# Allegro board ftu_k64_evk.brd (continued)
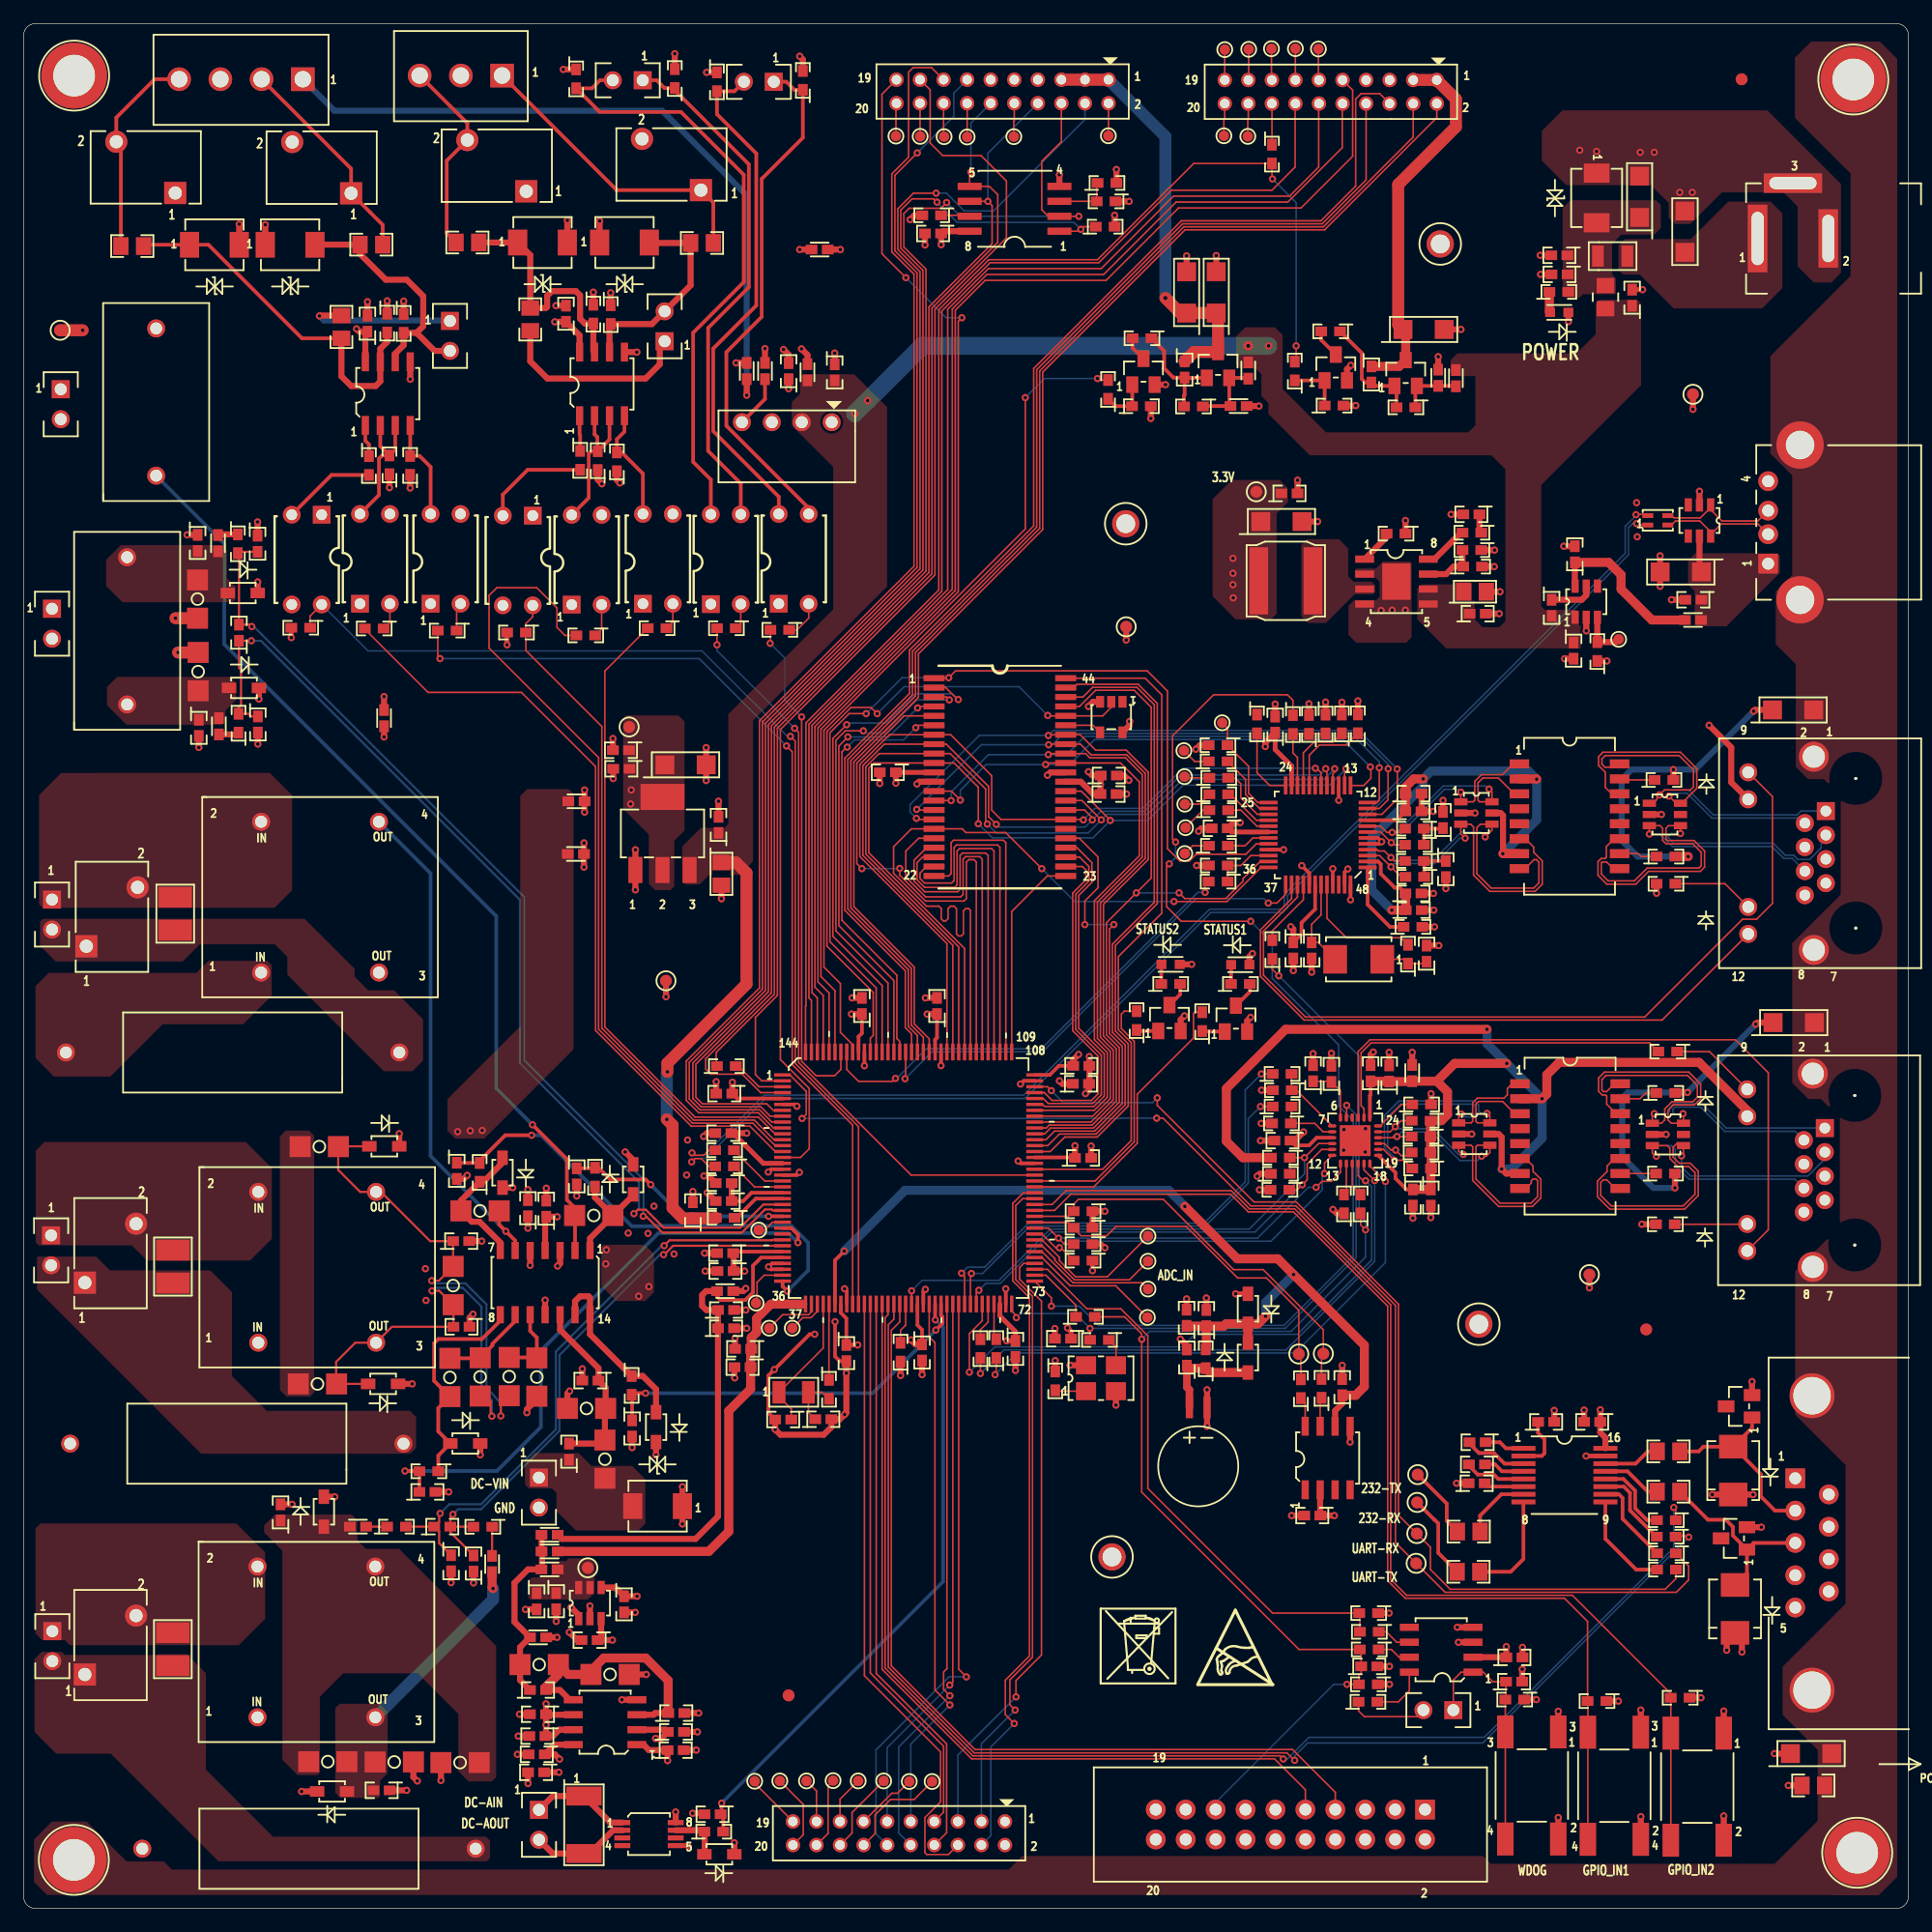
[diagram p0: board, top side]
## Nets (continued)
WIFI/LCD_PWR_CNTL: R153.2 U1.136(PTD7/CMT_IRO/UART0_TX/FTM0_CH7/)
N16756265: R65.1 T1.10
N16756269: R66.1 T1.15
N16757442: D11.A(1) DN2.1 J16.2 R135.2
N16757516: D10.A(1) DN1.1 J16.3 R139.2
N16758787: C93.1 U28.1(C1+)
N16758791: C93.2 U28.3(C1-)
N16758795: C92.1 U28.4(C2+)
N16758815: C92.2 U28.5(C2-)
N16758819: C91.2 U28.6(V-)
N16758823: R135.1 U28.14(T1OUT)
N16758837: R134.2 U28.11(T1IN)
N16758843: R138.2 U28.12(R1OUT)
N16758849: C89.1 U28.2(V+)
N16758873: R139.1 U28.13(R1IN)
N16759319: R25.1 U5.7(H\O\L\D\)
N16772440: D3.A(C1) R27.1 R28.2 U6.1(VOUTA)
N16775214: D4.A(C1) R31.1 R33.2 U6.7(VOUTB)
N16775930: D5.A(C1) R38.1 R40.2 U6.8(VOUTC)
N16775968: R35.2 R37.2 U6.10(VINC+)
N16775998: R39.2 R40.1 U6.9(VINC-)
N16783367: C46.2 C47.1 R45.2 R47.1 U6.12(VIND+)
N16785222: C53.2 D17.A(C1) L8.1 PT3.3 R52.2 R53.2
N16785246: PT3.1 R50.2
N16785292: C49.1 D18.A(C1) L7.1 PT3.4 R51.1 R52.1
N16786136: L8.2 R54.1
N16786139: L7.2 R49.1
N16788483: D6.A(C1) R46.1 U6.13(VIND-) U6.14(VOUTD)
N16795804: D12.A(ANODE) R157.1
N16798051: C83.1 U17.5(CSLEW)
N16806806: C77.1 R96.1 Y2.1
N16812858: R2.2 U1.68(PTA16/CMP3_IN2/SPI0_SOUT/U\A\R\)
N16812861: R4.2 U1.69(PTA17/ADC1_SE17/SPI0_SIN/U\A\R\)
N16826797: R114.2 U21.2(R\E\) U21.3(DE) U22.4(COLLECTOR)
N16826898: R118.2 U21.4(DI) U23.4(COLLECTOR)
N16826947: J12.1 R124.1
N16841183: J14.1 R132.1
N16842812: R115.1 U22.2(CATHODE)
N16843774: R119.1 U23.2(CATHODE)
N16843986: R113.2 U19.2(CATHODE)
N16846359: R113.1 U21.1(RO)
N16848477: R125.1 U26.2(CATHODE)
N16848509: R123.2 U25.2(R\E\) U25.3(DE) U26.4(COLLECTOR)
N16848511: R131.1 U27.2(CATHODE)
N16848567: R130.2 U25.4(DI) U27.4(COLLECTOR)
N16848581: R121.2 U24.2(CATHODE)
N16848643: R121.1 U25.1(RO)
N16852593: R143.2 U29.8(W\D\O\)
N16852608: C95.1 J17.1 R142.2 SW3.3(B1) SW3.4(B2) U29.1(M\R\)
N16852627: R146.1 U29.7(R\E\S\E\T\)
N16852920: R147.1 U29.6(WDI)
N16858143: P1.11(LED1-) R67.1
N16858278: P1.9(LED2-) R68.1
N16861702: R92.1 T2.10
N16861704: R93.1 T2.15
N16871213: L20.1 L22.1 Q3.2(SOURCE) R149.1
N16871247: Q5.1(GATE) R153.1 R155.1
N16871250: C100.2 Q3.1(GATE) R149.2 R151.1
N16871668: Q5.3(DRAIN) R151.2
N16872241: Q6.1(GATE) R154.1 R156.1
N16872243: C102.2 Q4.1(GATE) R150.2 R152.1
N16872250: L21.1 L23.1 Q4.2(SOURCE) R150.1
N16872280: Q6.3(DRAIN) R152.2
N16877055: R159.2 U30.1(SHDN/RT)
N16877530: R160.2 U30.8(COMP)
N16877846: C111.1 R160.1
N16878286: L25.1 U30.3(LX)
N16878713: R158.1 R161.2 U30.7(FB)
N16899253: R97.1 U12.1(BGRES)
N16906260: P2.11(LED1-) R94.1
N16913941: R84.2 U12.31(SD8/GP1)
N16913953: R85.2 U12.29(SD9/GP2)
N16913968: R86.2 U12.28(SD10/GP3)
N16913982: R87.2 U12.27(SD11/GP4)
N16913996: R89.2 U12.26(SD12/GP5)
N16917794: R11.1 U1.74(R\E\S\E\T\)
N16918817: R12.1 U1.41(EXTAL32)
N16919212: R16.2 Y1.1(OE)
N16919504: R18.1 Y1.3(CLKOUT)
N16920348: R9.1 U1.19(USB0_DP)
N16920352: R10.1 U1.20(USB0_DM)
N16922932: D8.C(CATHODE) R99.1
N16922934: Q1.3(COLLECTOR) R99.2
N16922936: Q1.1(BASE) R101.1
N16922944: Q2.3(COLLECTOR) R100.2
N16922946: D9.C(CATHODE) R100.1
N16922998: R106.1 U15.2(CATHODE)
N16923008: J8.2 R104.2 U15.4(COLLECTOR)
N16923020: J8.1 R108.1 U15.3(EMITTER)
N16923032: R105.1 U16.2(CATHODE)
N16923042: J9.2 R103.2 U16.4(COLLECTOR)
N16923054: J9.1 R107.1 U16.3(EMITTER)
N16932299: PT2.1 R41.2
N16932357: R42.2 R44.1
N16935752: C38.2 CT2.2 D14.A(C1) L6.1 R32.2
N16935822: C35.1 CT2.1 D13.A(C1) L5.1 R30.1
N16935990: L6.2 R34.1
N16935992: L5.2 R29.1
N16963015: R89.1 TP12.1(PIN1)
N16963035: R84.1 TP9.1(PIN1)
N16963490: R85.1 TP10.1(PIN1)
N16963499: R86.1 TP8.1(PIN1)
N16963508: R87.1 TP11.1(PIN1)
N16964483: J17.2 R143.1
N16992640: R13.2 U1.3(PTE2/ADC1_SE6A/SPI1_SCK/U\A\R\T)
N16997663: R140.2 U28.9(R2OUT)
N16997666: R136.2 U28.10(T2IN)
N17002202: J10.15 TP18.1(PIN1)
N17002209: J10.14 TP17.1(PIN1)
N17002232: J10.16 TP19.1(PIN1)
N17002285: J22.11 TP27.1(PIN1)
N17002298: J22.13 TP28.1(PIN1)
N17002307: J22.15 TP30.1(PIN1)
N17009409: D7.A(C1) R55.1 U7.7(OUT1)
N17012939: R137.1 U28.7(T2OUT)
N17012953: R141.1 U28.8(R2IN)
N17025356: L15.1 U20.4(VOUT)
N17038152: R14.1 U2.8(SCL)
N17038155: R15.1 U2.7(SDA)
N17041648: J21.16 TP31.1(PIN1)
N17041650: J21.14 TP29.1(PIN1)
N17041652: J21.10 TP26.1(PIN1)
N17041654: J21.2 TP25.1(PIN1)
N17042189: J22.16 R148.1
N17042264: J22.17 TP34.1(PIN1)
N17042273: J22.19 TP35.1(PIN1)
N17042288: J22.18 TP36.1(PIN1)
N17042303: J22.20 TP37.1(PIN1)
N17042405: J21.18 TP38.1(PIN1)
N17042414: J21.20 TP39.1(PIN1)
N17045351: J10.17 TP40.1(PIN1)
N17045355: J10.19 TP41.1(PIN1)
N17045369: J10.18 TP42.1(PIN1)
N17045378: J10.20 TP43.1(PIN1)
N17061950: Q2.1(BASE) R102.1
N17108951: C65.1 R65.2 R66.2
N17109053: C76.1 R92.2 R93.2
N17166355: C125.1 R75.1 R76.1
N17166431: C126.1 R77.1 R78.1
N17167419: J10.13 TP45.1(PIN1)
N17171737: TP46.1(PIN1) U1.38(DAC0_OUT/ADC0_SE23/CMP1_IN3)
N17171740: TP47.1(PIN1) U1.39(DAC1_OUT/ADC1_SE23/CMP2_IN3)
N17171751: TP48.1(PIN1) U1.35(ADC1_SE16/ADC0_SE22/CMP2_IN2)
N17171755: TP49.1(PIN1) U1.26(ADC3_DM0/ADC2_DM3/ADC1_DM1)
N167792300: PT1.1 R36.2

Pads without a net: DN1 3; DN2 3; J1 1 2; J2 1 2; J16 1 4 6 7 8 9; J18 2 3 5 11 13 17 19; NOREF#6 1; NOREF#19 1; NOREF#33 1; P1 4 5 7 8; P2 4 5 7 8; R90 1; SS1 1; T1 4 5 12 13; T2 4 5 12 13; U1 28; U2 1 3 4; U3 28; U4 1; U7 3 4 6; U10 5; U11 4; U12 19 46; U14 5; U17 4; U18 3 4; U29 5

## Via types
v1: diameter 0.61, hole 0.305, TOP to BOTTOM, 540 vias
v2: diameter 0.787, hole 0.356, TOP to BOTTOM, 2 vias

## Routing (per net, layer and track width the routed paths; a pad name or vN(x,y) marks a point on that pad's centre or on a via; arc(x,y) is an arc through that point)
AGND: length 18.3
  TOP w0.508: U25.5 v1(52.06,132.11) ; TVS4.1 v1(48.9,143.24) ; R117.1 v1(30.87,136.46) ; TVS2.1 v1(20.52,142.93) ; v1(65.88,157.23) 66.15,156.96 R107.2 ; R127.1 v1(48.37,137.2) ; R108.2 v1(55.28,157.44) ; TVS3.2 v1(18.31,142.98) ; U21.5 v1(32.82,129.81) ; C87.1 v1(64.94,129.01) ; TVS5.2 v1(46.16,143.3) ; L18.2 v1(65.88,140.82) ; C88.2 v1(45.19,136.06) ; C85.2 v1(29.19,136.39)
GND: length 199.4
  TOP w0.305: v1(67.16,48.74) 66.73,48.74 v1(63.73,45.75) 63.22,45.24 63.22,42.08 C20.2 ; v1(65.86,62.48) 65.62,62.25 U1.18 ; C6.2 69.29,46.46 68.88,46.86 v1(68.88,49.81) ; U1.6 65.49,68.25 v1(65.65,68.1) ; v1(112.42,88.24) 112.14,87.96 U12.47 ; U1.134 v1(71.38,71.54) ; U12.5 115.11,90.37 v1(115.29,90.55) 114.96,90.87 U12.6 ; U1.57 76.38,52.38 v1(76.55,52.55) ; v1(69.69,52.6) 69.88,52.42 U1.44 ; U12.45 v1(111.14,88.26) ; U12.15 v1(111.64,94.07) ; v1(63.22,62.51) 63.46,62.75 U1.17 ; v1(84.63,69.98) 84.9,70.25 U1.107 ; v1(84.42,63.45) 84.62,63.25 U1.93 ; U1.71 v1(83.38,52.6) ; U12.41 109.14,87.89 v1(108.5,88.52) ; U1.121 v1(77.88,71.54) ; U12.33 v1(106.96,89.87) ; U12.48 v1(112.64,85.62)
  TOP w0.381: U28.15 v1(132.64,38.41)
  TOP w0.406: C106.2 v1(137.43,137.41)
  TOP w0.508: SW3.1 v1(130.28,16.73) ; v1(114.57,72.69) 114.35,72.47 C64.2 ; C112.2 v1(59.24,85.71) ; U13.2 v1(123.21,92.99) ; C84.2 v1(130.74,115.63) ; C29.2 v1(93.63,94.6) ; C67.2 v1(111.02,72.59) ; C96.2 v1(127.24,22.16) ; L18.1 v1(69.34,140.82) ; R67.2 v1(137.37,58.08) ; C61.2 v1(119.46,58.64) ; C28.2 v1(72.68,95.49) ; TP_GND7.1 v1(141.71,127.25) ; v1(100.46,40.93) BT1.1 v1(100.46,44.03) ; R159.1 v1(117.3,117.82) ; Y1.2 v1(92.73,42.72) ; R156.2 v1(113.09,127.57) ; Q5.2 v1(96.94,129.35) ; v1(138.92,114.82) C80.2 v1(138.92,112.23) ; C24.2 v1(100.4,51.82) ; C125.2 v1(120.49,94.06) ; C108.2 v1(125.27,109.91) ; C78.2 v1(109.34,79.48) ; v1(98.55,75.77) 98.22,75.44 Q2.2 ; U5.4 v1(87.93,147.17) ; C68.2 v1(109.46,72.56) ; R161.1 v1(124.87,115.31) ; R155.2 v1(95.69,126.48) ; R97.2 v1(119.77,83.32) ; D12.C v1(131.13,134.7) ; C22.2 v1(107.64,33.35) ; C113.2 v1(58.99,93.99) ; U4.3 90.79,102.43 v1(90.39,102.03) ; C115.2 v1(50.05,95.92) ; U18.2 v1(142.26,120.29) ; v1(51.94,89.87) U31.1 v1(51.94,86.46) ; C98.2 v1(98.73,140.28) ; U3.12 76.03,95.64 v1(75.84,95.45) ; C20.2 v1(63.8,40.66) 64.25,40.21 67.92,40.21 68.57,40.86 C21.2 69.29,41.53 v1(69.7,41.94) 69.84,42.08 v1(69.84,45.44) C6.2 ; v1(57.94,95.75) C114.2 v1(57.94,98.54) ; C70.2 v1(106.24,102.24) ; C26.2 v1(87.55,49.23) ; v1(99.74,91.44) 99.99,91.69 C71.2 ; v1(112.67,130.99) 112.34,130.66 Q6.2 ; C75.2 v1(119.68,86.16) ; SW1.1 v1(137.28,16.84) ; C30.2 93.41,96.17 v1(93.82,95.76) ; v1(57.73,65.53) 58.01,65.81 C7.2 ; C23.2 v1(111.93,46.1) ; C101.2 v1(122.02,134.03) ; C110.2 v1(108.14,121.24) ; C89.2 v1(129.93,42.28) ; DN1.2 v1(147.51,32.36) ; C95.2 v1(127.21,20.31) ; SW3.2 v1(130.28,7.72) ; C25.2 v1(98.72,51.74) ; C27.2 98.75,47.78 v1(98.19,48.34) ; C91.1 v1(121.64,36.09) ; C105.2 v1(128.74,140.33) ; C4.2 v1(90.62,64.72) ; C10.2 v1(84.2,45.67) ; C90.2 v1(132.47,42.3) ; v1(143.35,35.13) D11.C v1(146.81,35.13) ; C104.2 v1(128.77,138.71) ; C86.1 v1(68.85,132.03) ; Q1.2 103.86,75.35 v1(104.16,75.64) ; U17.2 v1(132.65,108.45) ; C126.2 v1(120.73,86.57) ; U29.4 v1(121.7,23.87) ; R94.2 v1(138.62,86.17) ; v1(104.72,62.15) 104.92,62.36 R74.1 ; TP_GND8.1 v1(132.92,52.68) ; U3.34 87.15,96.43 v1(86.91,96.19) ; TP_GND5.1 v1(93.6,107.67) ; v1(90.47,72.31) C8.2 90.47,70.03 C1.2 90.44,69.47 v1(90.14,69.16) ; C69.2 v1(107.79,79.61) ; U2.5 v1(112.6,39.59) ; U10.2 v1(139.43,65.7) ; C116.2 v1(50.03,99.31) ; v1(145.87,21.77) 145.87,22.81 D10.C 144.57,22.68 v1(144.57,21.92) ; U14.2 v1(139.03,92.86) ; TP_GND6.1 v1(54.53,77.39) ; v1(57.75,62.18) 58.14,62.18 C17.2 ; C72.2 118.67,93.13 C73.2 v1(119.68,93.12) ; C111.2 v1(121.18,118.34) ; C62.2 v1(105,65.18) ; C99.2 v1(101.24,140.31) ; C9.2 v1(76.27,45.31) ; R72.1 v1(149.8,10.44) ; C109.2 v1(109.85,117.73) ; C81.2 v1(139.88,111.09) ; SW2.2 v1(144.32,7.85) ; U9.2 v1(122.93,65.74) ; C74.2 v1(119.71,84.74) ; C60.2 v1(115.92,72.67) ; R73.2 v1(119.48,69.16) ; C31.2 v1(76.52,141.2) ; C5.2 v1(58.8,70.18) ; C3.2 v1(70.33,77.29) ; C82.2 v1(130.82,106.08) ; C63.2 v1(117.93,58.59) ; U29.3 v1(121.8,22.6) ; R88.1 v1(110.52,102.4) ; DN2.2 v1(146.72,44.72) ; SW1.2 v1(137.28,7.8) ; C19.2 v1(56.81,60.86) ; C66.1 v1(148.62,13.14) ; C2.2 v1(76.55,77.29) ; C97.2 v1(115.95,20.55) ; C107.2 v1(125.33,111.77) ; C77.2 v1(120.14,81.73) ; L2.2 v1(30.6,102.87) ; SW2.1 v1(144.32,16.76) ; C18.2 v1(58.03,60.76) ; R26.1 v1(93.85,144.91)
  vias: v1(56.29,62.26) v1(56.36,65.23) v1(112.08,66.12) v1(112.06,64.36) v1(113.91,66.19) v1(113.89,64.21) v1(115.23,110.19) v1(116.17,110.21) v1(117.29,110.21) v1(132.1,149.25) v1(133.52,149.15) v1(136.93,119.33) v1(136.98,116.43) v1(137.23,149.07) v1(138.42,149.07) v1(140.58,145.67) v1(141.65,145.67)
GNDA: length 63.2
  TOP w0.305: U1.34 63.45,54.25 v1(63.24,54.46) 63.53,54.75 U1.33
  TOP w0.381: U7.5 v1(56.39,5.34)
  TOP w0.508: C117.2 v1(41.92,13.08) ; D7.C v1(60.33,5.58) ; R163.2 v1(52.86,19.86) ; C48.2 v1(51.66,39.12) ; C12.2 60.35,45.06 v1(60.37,45.03) ; C32.2 v1(44.37,61.14) ; v1(51.07,64.22) 51.75,63.54 D3.C ; v1(46.48,25.55) 47.13,24.9 U8.1 ; C121.2 v1(57.1,13.44) ; C118.2 v1(42.82,10.6) ; v1(46.35,43.92) 46.16,43.72 R47.2 ; U32.4 v1(50.79,17.71) ; C54.1 v1(38.2,27.63) ; C43.2 v1(38.89,56.65) ; D18.C v1(26.42,34.95) ; C14.2 v1(61.31,50.8) ; U8.2 v1(48.08,25.68) ; C38.1 v1(13.88,116.6) ; C11.2 v1(60.4,48.41) ; C34.2 v1(46.96,60.48) ; v1(38.15,50.44) 37.86,50.15 C45.1 ; C57.2 46.99,22.78 v1(46.32,23.44) ; C120.2 v1(57.21,14.99) ; D4.C v1(41.52,61.19) ; C56.2 v1(51.92,25.13) ; v1(55.93,35.79) TVS1.1 v1(55.93,32.63) ; C47.2 v1(47.43,45.81) ; D6.C v1(53.69,38.48) ; C40.1 v1(19.86,117.7) ; C33.2 v1(42.81,61.02) ; D15.C v1(31.89,65.77) ; C58.2 v1(42.6,25.39) ; C50.2 v1(36.29,27.66) ; C59.2 v1(45.21,24.36) ; C13.2 v1(61.39,49.25) ; D5.C v1(38.77,38.51) ; C49.2 v1(22.8,34.3) ; C53.1 v1(32.52,10.03) ; v1(56.8,8.08) 57.72,8.08 C55.2 ; C122.2 v1(41.99,14.63) ; U6.11 v1(44.27,51.64) ; v1(37.66,62.23) 37.36,61.93 C39.2 ; L2.1 v1(30.6,99.44) ; C15.2 v1(57.81,55.63) ; C124.2 v1(57.31,16.59) ; C36.2 v1(19.89,98.84) ; D16.C v1(32.99,44.53) ; D14.C v1(19.88,112.6) ; D17.C v1(23.6,9.93) ; C35.2 v1(14.88,98.55) ; C119.2 v1(42.09,16.48) ; C42.2 v1(36.09,35.36) ; C16.2 v1(57.86,54.1) ; D13.C v1(19.98,102.66)
  vias: v1(34.11,54.31) v1(34.16,51.61) v1(51.33,57.33) v1(53.01,57.3) v1(53.51,59.61) v1(55.21,55.55)
GPRS_3V3/5V: length 31.9
  TOP w0.762: C102.1 116.78,130.9 Q4.3 117.32,133.8 C101.1
  TOP w1.016: C101.1 116.69,134.44 116.69,146.33 121.58,151.23 121.58,153.59 J22.1 J22.3
P3V3_LICELL: length 9.1
  TOP w0.635: C27.1 98.75,44.25 98.96,44.03 BT1.2
  TOP w0.762: C27.1 98.97,45.86 R17.1 100.72,45.49 D2.A
VBAT: length 80.3
  TOP w0.305: v1(69.67,55.8) 68.88,55.01 U1.42
  TOP w0.508: U2.6 111.33,42.25 111.93,42.85 C23.1
  TOP w0.762: C23.1 113.08,43.56 113.81,44.3 113.81,47.8 v1(107.8,53.81) 106.47,55.14 103.03,55.14 v1(98.58,59.59) ; v1(105.43,50.27) 104.8,49.63 D1.C ; C24.1 98.75,49.43 C25.1 ; C24.1 100.4,47.51 R17.2 ; C24.1 101.87,49.43 102.08,49.63 D1.C ; D1.C D2.C
  BOTTOM w0.762: v1(98.58,59.59) 97.21,60.96 74.82,60.96 v1(69.67,55.8) ; v1(105.43,50.27) 105.43,51.44 v1(107.8,53.81)
VCC_3V3: length 1.9
  TOP w0.508: v1(47.62,94.94) L4.2 v1(47.62,93.06)
  vias: v1(51.53,93.75) v1(51.58,94.95)
VDD_3V3: length 140.3
  TOP w0.305: U1.5 60.58,68.75 C5.1 ; U11.9 109.77,65.43 109.11,64.77 107.96,64.77 C62.1 ; U1.43 69.38,50.56 69.84,50.09 C6.1 ; U1.122 77.38,73.75 77.54,73.91 C2.1 ; C9.1 76.27,49.12 75.88,49.52 U1.56 ; C4.1 89.2,63.75 U1.94 ; U1.108 87.1,70.75 87.88,71.53 C8.1 ; C69.1 108.48,82.7 108.48,83.67 109.64,84.83 U12.42 ; U1.135 70.88,74.01 71.17,74.3 C3.1
  TOP w0.406: R112.2 v1(22.73,107.87) ; U12.23 107.64,96.98 106.24,98.37 C70.1 ; R120.2 v1(41.04,107.26) ; U12.30 102.54,91.37 C71.1 ; U1.16 62.79,63.25 60.23,65.81 ; C28.1 74.06,96.43 U3.11 ; v1(83.46,48.18) C10.1 84.2,48.97 82.88,50.29 U1.70 ; R7.1 91.49,56.39 v1(91.79,56.08) ; D1.A v1(102.89,52.17) ; v1(88.62,49.28) 88.92,48.97 C26.1 ; R8.1 v1(90.74,54.14) ; C6.1 v1(70.81,47.83)
  TOP w0.508: R145.1 v1(115.92,25.07) ; v1(111.27,33.35) C22.1 110.06,33.37 U2.2 ; C9.1 75.71,47.88 v1(75.33,48.26) ; R158.2 v1(124.85,113.9) ; R144.1 v1(115.95,19.03) ; v1(75.25,143.36) 75.62,143.73 R25.2 ; R81.2 v1(109.11,102.26) ; v1(47.57,90.45) L3.2 v1(47.57,88.39) ; C28.1 v1(74.05,95.52) ; L21.2 v1(120.08,131.72) ; R82.2 99.86,98.74 v1(99.51,98.4) ; v1(105.4,98.63) 105.4,98.96 C70.1 ; Y1.4 v1(88.83,46.11) ; R57.2 v1(105.09,69.46) ; U5.8 78.08,142.37 C31.1 v1(77.89,141.23) ; C2.1 v1(76.7,75.92) ; R16.1 v1(87.57,46.51) ; R24.2 v1(92.62,143.73) ; R23.2 v1(92.77,147.61) ; R110.1 v1(142.39,17.88) ; R142.1 v1(128.42,17.73) ; U29.2 125.85,21.33 C96.1 v1(125.86,22.23) ; v1(107.56,83.34) 107.79,83.12 C69.1 ; P2.10 144.96,95.59 144.96,98.55 v1(143.08,100.43) ; v1(89.56,72.49) 89.1,72.03 C8.1 ; v1(103.27,92.18) 102.71,92.18 C71.1 ; C62.1 107.92,65.18 v1(108.66,65.91) ; v1(133.84,42.33) C90.1 133.84,40.4 134.28,39.96 U28.16 ; v1(111.15,59.33) 111.48,59 R71.1 ; v1(93.89,100.76) 93.89,100.45 U4.5 ; D9.A v1(99.16,80.14) ; v1(90.39,96.49) 90.72,96.17 C30.1 91.41,96.15 v1(91.41,95.4) C29.1 90.79,94.6 89.75,95.64 U3.33 ; R109.1 v1(135.38,17.6) ; C4.1 v1(89.25,64.74) ; L11.1 v1(117.88,72.67) ; R111.1 v1(134.41,105.89) ; R1.1 v1(74.44,45.24) ; D8.A 104.06,80.8 v1(104.31,81.05) ; R79.2 v1(111.91,102.39) ; v1(91.79,59.18) R5.1 R6.1 ; C7.1 v1(61.39,65.81) ; R80.2 v1(113.27,102.5) ; L20.2 v1(104.87,127.53) ; v1(87.93,70.26) 88.18,70 C1.1 ; C5.1 v1(60.17,70.13) ; R56.2 v1(105.06,66.64) ; R83.2 v1(99.58,88.53) ; C3.1 v1(70.28,75.92) ; R58.2 v1(104.91,61)
  vias: v1(102.66,114.6) v1(102.66,113.33) v1(102.66,112.37) v1(102.69,111.25)
VDD_5V: length 75.5
  TOP w1.016: C112.1 60.48,88.79 61.37,87.9 61.37,78.46 54.66,71.75 v1(54.66,71.02) ; v1(54.6,66.98) 55.09,66.49 55.09,59.46 55.98,58.57 C19.1 58.71,58.57 R3.2
  BOTTOM w1.016: v1(54.66,71.02) 54.6,70.97 v1(54.6,66.98)
  BOTTOM w1.524: v1(70.56,126.9) v1(71.65,127.99) 76.3,132.64 v2(103.96,132.64) v1(105.69,132.64)
VDDA_2V5: length 53.3
  TOP w0.305: C75.1 116.82,86.64 116.4,86.64 115.21,87.83 115.21,88.65 114.98,88.87 U12.2 ; U12.9 116.55,92.37 C73.1
  TOP w0.508: U13.5 125.37,92.99 125.58,92.78 125.58,89.55 v1(125.57,89.53)
  TOP w0.762: C75.1 117.32,86.14 C74.1 v1(116.14,84.74) ; v1(118.82,95.89) 118,95.89 117.3,95.18 C72.1 117.3,93.13 C73.1 ; T2.2 128.42,95.89 v1(128.44,95.86) ; T2.7 v1(125.57,89.53)
  BOTTOM w0.762: v1(116.14,84.74) 114.45,86.44 114.45,90.9 118.82,95.27 v1(118.82,95.89) 119.48,96.55 127.76,96.55 v1(128.44,95.86) 128.44,92.41 v1(125.57,89.53)
VDDA_3V3: length 25.6
  TOP w0.305: U1.31 60.37,55.75 C15.1
  TOP w0.508: U8.4 50.23,27.24 C56.1 v1(52.08,26.5) ; v1(45.5,12.67) 45.09,13.08 C117.1 45.07,13.9 U32.8 ; v1(61.21,54.1) C16.1 60.27,55.6 C15.1 ; v1(49.99,22.78) C57.1 49.03,23.07 U8.3 ; U7.8 v1(55.35,8.19) ; C33.1 v1(42.81,57.74) ; v1(45.3,58.72) C32.1 44.27,58.62 U6.4 ; v1(61.31,52.63) 61.08,52.4 L1.2 ; C118.1 v1(45.45,11.56)
  vias: v1(36.85,65.94) v1(37.92,66.01) v1(38.93,66.04) v1(49.42,54.71) v1(49.47,55.91) v1(52.22,51.97) v1(53.08,52.78)
VDDCR_1.2V: length 4.9
  TOP w0.127: U11.6 111.79,69.39 C67.1 110.96,70.21 C68.1
WIFI/LCD_3V3/5V: length 35.9
  TOP w1.016: J21.5 J21.3 J21.1 ; v2(96.93,136.7) 98.22,135.41 98.71,135.41 C98.1 98.73,135.43 C99.1 101.4,135.27 Q3.3 99.37,132.13 C100.1
  BOTTOM w1.016: v2(96.93,136.7) 96.93,150.41 J21.1
ADC_S1: length 12.5
  TOP w0.127: TP4.1 91.99,53.62 89.3,53.62 87.93,54.99 87.93,55.27 86.45,56.75 U1.80
ADC_S2: length 11.5
  TOP w0.127: TP3.1 93.87,53.37 89.19,53.37 87.55,55.01 87.55,55.15 86.45,56.25 U1.79
ADC_S3: length 10.9
  TOP w0.127: TP2.1 94.91,53.11 89.09,53.11 86.45,55.75 U1.78
ADC_S4: length 11.7
  TOP w0.127: U1.77 86.45,55.25 88.84,52.86 92.7,52.86 TP1.1
DC_A1_OUT: length 53
  TOP w0.305: v1(59.25,8.94) 59.25,8.08 C55.1 59.39,7.78 R55.2 ; U1.59 77.38,49.98 v1(77.4,49.96)
  BOTTOM w0.305: v1(59.25,8.94) 78.05,27.74 78.05,49.35 77.44,49.96 v1(77.4,49.96)
DC_IN: length 8.5
  TOP w0.508: J6.1 44.92,9.54 R48.1 49.78,7.33 49.78,7.29 U7.1
DC_OUT: length 8.4
  TOP w0.508: J6.2 44.92,4.66 R48.2 48.07,4.66 50.05,6.64 U7.2
DC_V1_OUT: length 32.8
  TOP w0.305: 51.66,43.56 51.84,43.74 v1(52.8,43.74) ; 51.66,43.56 C48.1 ; 51.66,43.56 R46.2 ; v1(77.44,49.1) 78.01,49.67 78.01,50.21 77.88,50.34 U1.60
  BOTTOM w0.305: v1(77.44,49.1) 72.08,43.74 v1(52.8,43.74)
DEBUG_RX: length 113.1
  TOP w0.127: v1(106.93,12.69) 106.67,12.95 80.58,12.95 73.13,20.4 73.13,50.15 73.38,50.4 U1.51 ; v1(140.08,34.04) 140.25,33.86 R138.1
  BOTTOM w0.127: v1(140.08,34.04) 140.08,30.61 123.99,14.53 109.12,14.53 107.28,12.69 v1(106.93,12.69)
DEBUG_TX: length 111.5
  TOP w0.127: v1(141.35,31.52) 141.25,31.62 140.3,31.62 R134.1 ; v1(107.9,12.57) 107.87,12.57 107.24,13.21 80.69,13.21 73.41,20.49 73.41,49.56 73.88,50.03 U1.52
  BOTTOM w0.127: v1(141.35,31.52) 123.87,14.05 109,14.05 107.9,12.95 v1(107.9,12.57)
DM9000_INT#: length 40
  TOP w0.127: v1(100.3,86.25) 100.27,86.27 100.27,86.83 R95.2 ; U1.137 69.88,71.21 70.89,70.21 73.76,70.21 v1(74.01,70.46)
  BOTTOM w0.127: v1(100.3,86.25) 99.68,86.25 86.4,72.97 76.63,72.97 74.11,70.46 v1(74.01,70.46)
DM9000_WAKE: length 99.2
  TOP w0.127: v1(97.26,88.67) 97.03,88.44 97.03,85.04 98.27,83.79 v1(104.17,83.79) ; U1.73 87.25,51.83 v1(87.25,51.13) ; R91.1 107.75,102.56 107.29,103.02 101.02,103.02 97.54,99.54 97.54,90.78 v1(97.79,90.53)
  BOTTOM w0.127: v1(104.17,83.79) 105.99,81.97 105.99,78.94 111.63,73.3 111.63,68.12 112.86,66.89 112.86,55.36 106.99,49.49 91.25,49.49 89.61,51.13 v1(87.25,51.13) ; v1(97.79,90.53) 97.79,89.2 v1(97.26,88.67)
DM_INT: length 5.2
  TOP w0.127: U12.34 104.17,89.37 103.34,88.53 R83.1 102.22,87.18 R95.1
DM_LED1: length 69.5
  TOP w0.127: P2.9 148.46,94.38 148.46,85.32 147.11,83.97 145.92,83.97 137.61,75.67 108.81,75.67 105.25,79.22 105.25,82.97 108.14,85.85 U12.39
DM_LED2: length 54.9
  TOP w0.127: P2.12 139.09,75.41 108.7,75.41 105,79.12 105,83.07 107.64,85.71 U12.38
EECLK: length 7.5
  TOP w0.127: U12.20 109.14,97.89 110,98.76 112.27,98.76 R80.1
EECS: length 6.7
  TOP w0.127: R79.1 111.17,99.01 109.54,99.01 108.64,98.1 U12.21
ENET1_RX+: length 26.5
  TOP w0.127: T1.6 127.5,63.65 128.14,63.02 128.14,62.56 128.8,61.9 128.8,60.31 128.08,59.59 125.22,59.59 123.01,61.8 123.01,64.66 122.88,64.79 U9.3 121.83,64.27 122.09,64.01 v1(122.22,64.01) ; U11.23 116.01,65.93 v1(116.44,66.36) 116.95,66.87 R59.2
  BOTTOM w0.127: v1(116.44,66.36) 116.61,66.19 119.62,66.19 121.8,64.01 v1(122.22,64.01)
ENET1_RX-: length 26.5
  TOP w0.127: U11.22 116.2,65.43 116.29,65.52 v1(116.58,65.52) R60.2 ; v1(123.77,63.86) 124.18,63.86 124.47,64.15 U9.4 123.41,64.79 123.29,64.66 123.29,61.91 125.33,59.87 127.96,59.87 128.52,60.43 128.52,61.77 128.38,61.91 128.12,61.91 127.99,61.77 127.99,61.57 127.53,61.11 T1.8
  BOTTOM w0.127: v1(123.77,63.86) 123.4,63.49 121.93,63.49 119.5,65.91 116.97,65.91 v1(116.58,65.52)
ENET1_TX+: length 25.3
  TOP w0.127: T1.1 126.36,70 125.95,69.6 125.95,69.06 125.67,68.78 123.4,68.78 123.01,68.39 123.01,66.81 122.88,66.69 U9.1 121.83,67.22 v1(122.04,67.44) ; R61.2 117.56,63.91 116.94,63.91 v1(116.47,64.38) 116.06,64.38 115.51,64.93 U11.21
  BOTTOM w0.127: v1(122.04,67.44) 122.3,67.18 122.96,67.18 123.24,67.46 123.24,68.07 123.03,68.28 116.89,68.28 115.79,67.18 115.79,64.71 116.13,64.38 v1(116.47,64.38)
ENET1_TX-: length 25.5
  TOP w0.127: U11.20 115.45,64.43 v1(116.36,63.51) 117.18,63.51 R62.2 ; v1(124.23,67.49) 124.47,67.25 U9.6 123.41,66.69 123.29,66.81 123.29,68.28 123.51,68.5 125.55,68.5 126.59,67.46 T1.3
  BOTTOM w0.127: v1(116.36,63.51) 116.36,63.74 115.51,64.59 115.51,67.3 116.77,68.55 123.15,68.55 123.51,68.19 123.51,67.69 123.72,67.49 v1(124.23,67.49)
ENET2_RX+: length 29.5
  TOP w0.127: R77.2 116.92,87.57 v1(116.07,88.42) 115.12,89.37 U12.3 ; T2.6 127.48,90.81 128.19,90.09 128.19,89.65 128.91,88.93 128.91,86.94 128.3,86.33 124.47,86.33 123.08,87.72 123.08,91.8 122.84,92.04 U13.3 122,91.22 v1(122.37,90.86)
  BOTTOM w0.127: v1(122.37,90.86) 121.93,90.86 119.77,88.7 116.35,88.7 v1(116.07,88.42)
ENET2_RX-: length 29.2
  TOP w0.127: R78.2 116.36,88.92 v1(116.07,89.2) 115.52,89.76 115.01,89.76 114.9,89.87 U12.4 ; T2.8 127.45,88.27 128.21,89.03 128.42,89.03 128.63,88.81 128.63,87.06 128.19,86.61 124.58,86.61 123.36,87.83 123.36,91.74 123.66,92.04 U13.4 124.65,91.53 v1(124.07,90.96)
  BOTTOM w0.127: v1(116.07,89.2) 116.3,88.98 119.65,88.98 122.05,91.38 123.65,91.38 v1(124.07,90.96)
ENET2_TX+: length 19.6
  TOP w0.127: T2.1 126.44,97.16 125.52,96.24 123.75,96.24 123.18,95.67 123.18,94.07 123.06,93.94 U13.1 v1(122,94.75) ; R75.2 116.29,90.29 v1(116.1,90.47) 115.2,91.37 U12.7
  BOTTOM w0.127: v1(122,94.75) 121.76,95 120.62,95 v1(116.1,90.47)
ENET2_TX-: length 21.6
  TOP w0.127: v1(124.4,95.02) 124.65,94.78 U13.6 123.59,93.94 123.46,94.07 123.46,95.55 123.87,95.96 125.19,95.96 126.54,94.61 T2.3 ; R76.2 116.95,91.34 v1(116.17,91.34) 115.72,91.34 115.18,91.87 U12.8
  BOTTOM w0.127: v1(124.4,95.02) 124.15,95.28 120.5,95.28 116.57,91.34 v1(116.17,91.34)
ENET_3V3A: length 110
  TOP w0.305: U11.19 116.45,62.47 116.45,61.98 117.4,61.03 C63.1 ; C64.1 114.35,69.05 114.29,68.99 U11.1
  TOP w0.508: U9.5 125.22,65.74 125.47,65.48 v1(125.47,62.76) 125.85,62.38 T1.7
  TOP w0.762: P1.10 146.31,67.74 142.23,71.82 130.36,71.82 129.31,70.76 129.31,69.14 v1(128.9,68.73) T1.2 ; 119.97,70.22 121.48,71.73 v1(125.9,71.73) ; 119.97,70.22 120.87,69.32 120.87,67.39 120.36,66.87 R59.1 119.43,66.86 R60.1 R61.1 119.48,64.13 R62.1 119.46,62.8 C61.1 C63.1 ; 119.97,70.22 L11.2 117.85,70.19 C60.1 115.9,70.21 C64.1 ; R70.2 103.5,63.73 102.1,65.13 102.1,69.6 107.13,74.63 v1(124.23,74.63)
  BOTTOM w0.762: v1(124.23,74.63) 124.23,73.41 v1(125.9,71.73) v1(128.9,68.73) 128.9,65.38 126.28,62.76 v1(125.47,62.76)
ETH1_RXN: length 36
  TOP w0.127: T1.9 135.12,61.11 134.39,61.85 134.11,61.85 133.88,61.62 133.88,60.53 134.77,59.64 140.89,59.64 141.88,60.63 141.88,62.46 141.36,62.98 140.43,62.98 139.75,63.66 139.75,64.54 139.54,64.75 U10.3 138.26,64.12 138.53,63.86 v1(138.6,63.86)
  BOTTOM w0.127: v1(138.6,63.86) 138.53,63.86 138.26,64.12 138.26,64.55 138.45,64.74 139.9,64.74 140.22,64.43 140.22,63.07 141.38,61.9 150.37,61.9 P1.6
ETH1_RXP: length 36
  TOP w0.127: T1.11 135.05,63.65 134.41,63.02 134.41,62.55 133.6,61.74 133.6,60.41 134.65,59.36 141,59.36 142.16,60.51 142.16,62.59 141.49,63.26 140.55,63.26 140.02,63.78 140.02,64.62 140.33,64.92 140.73,64.92 U10.4 140.9,64.05 v1(140.74,63.88)
  BOTTOM w0.127: P1.3 152.9,63.62 151.47,62.18 141.5,62.18 140.74,62.94 v1(140.74,63.88)
ETH1_TXN: length 34.5
  TOP w0.127: T1.14 135.2,67.46 134.39,68.28 134.39,68.96 134.3,69.04 134.01,69.04 133.7,69.35 133.7,70.5 134.19,70.99 141.36,70.99 142.36,69.99 142.36,68.74 141.82,68.2 140.04,68.2 139.59,67.75 139.59,66.93 139.87,66.65 U10.6 140.9,67.43 v1(140.87,67.46)
  BOTTOM w0.127: P1.2 150.38,65.96 144.42,65.96 142.36,68.02 140.18,68.02 140,67.84 140,67.59 140.18,67.41 140.81,67.41 v1(140.87,67.46)
ETH1_TXP: length 34.4
  TOP w0.127: v1(138.42,67.46) 138.26,67.3 U10.1 139.04,66.65 139.31,66.93 139.31,67.87 139.92,68.48 141.7,68.48 142.08,68.86 142.08,69.88 141.24,70.71 134.31,70.71 134.31,70.69 133.98,70.36 133.98,69.47 134.11,69.34 134.39,69.34 135.05,70 T1.16
  BOTTOM w0.127: v1(138.42,67.46) 139.52,67.46 139.72,67.67 139.72,67.96 140.06,68.3 142.47,68.3 144.53,66.24 P1.1
ETH2_RXN: length 34.3
  TOP w0.127: v1(138.01,91.2) U14.3 138.92,91.91 139.14,91.69 139.14,90.66 139.43,90.37 141.69,90.37 142.41,89.65 142.41,88.51 142.22,88.32 137.83,88.32 136.73,87.22 134.51,87.22 133.93,87.81 133.93,88.75 134.01,88.82 134.39,88.82 134.94,88.27 T2.9